# Altium PCB MLB_REV1.PcbDoc (part 1 of 4) (continued)
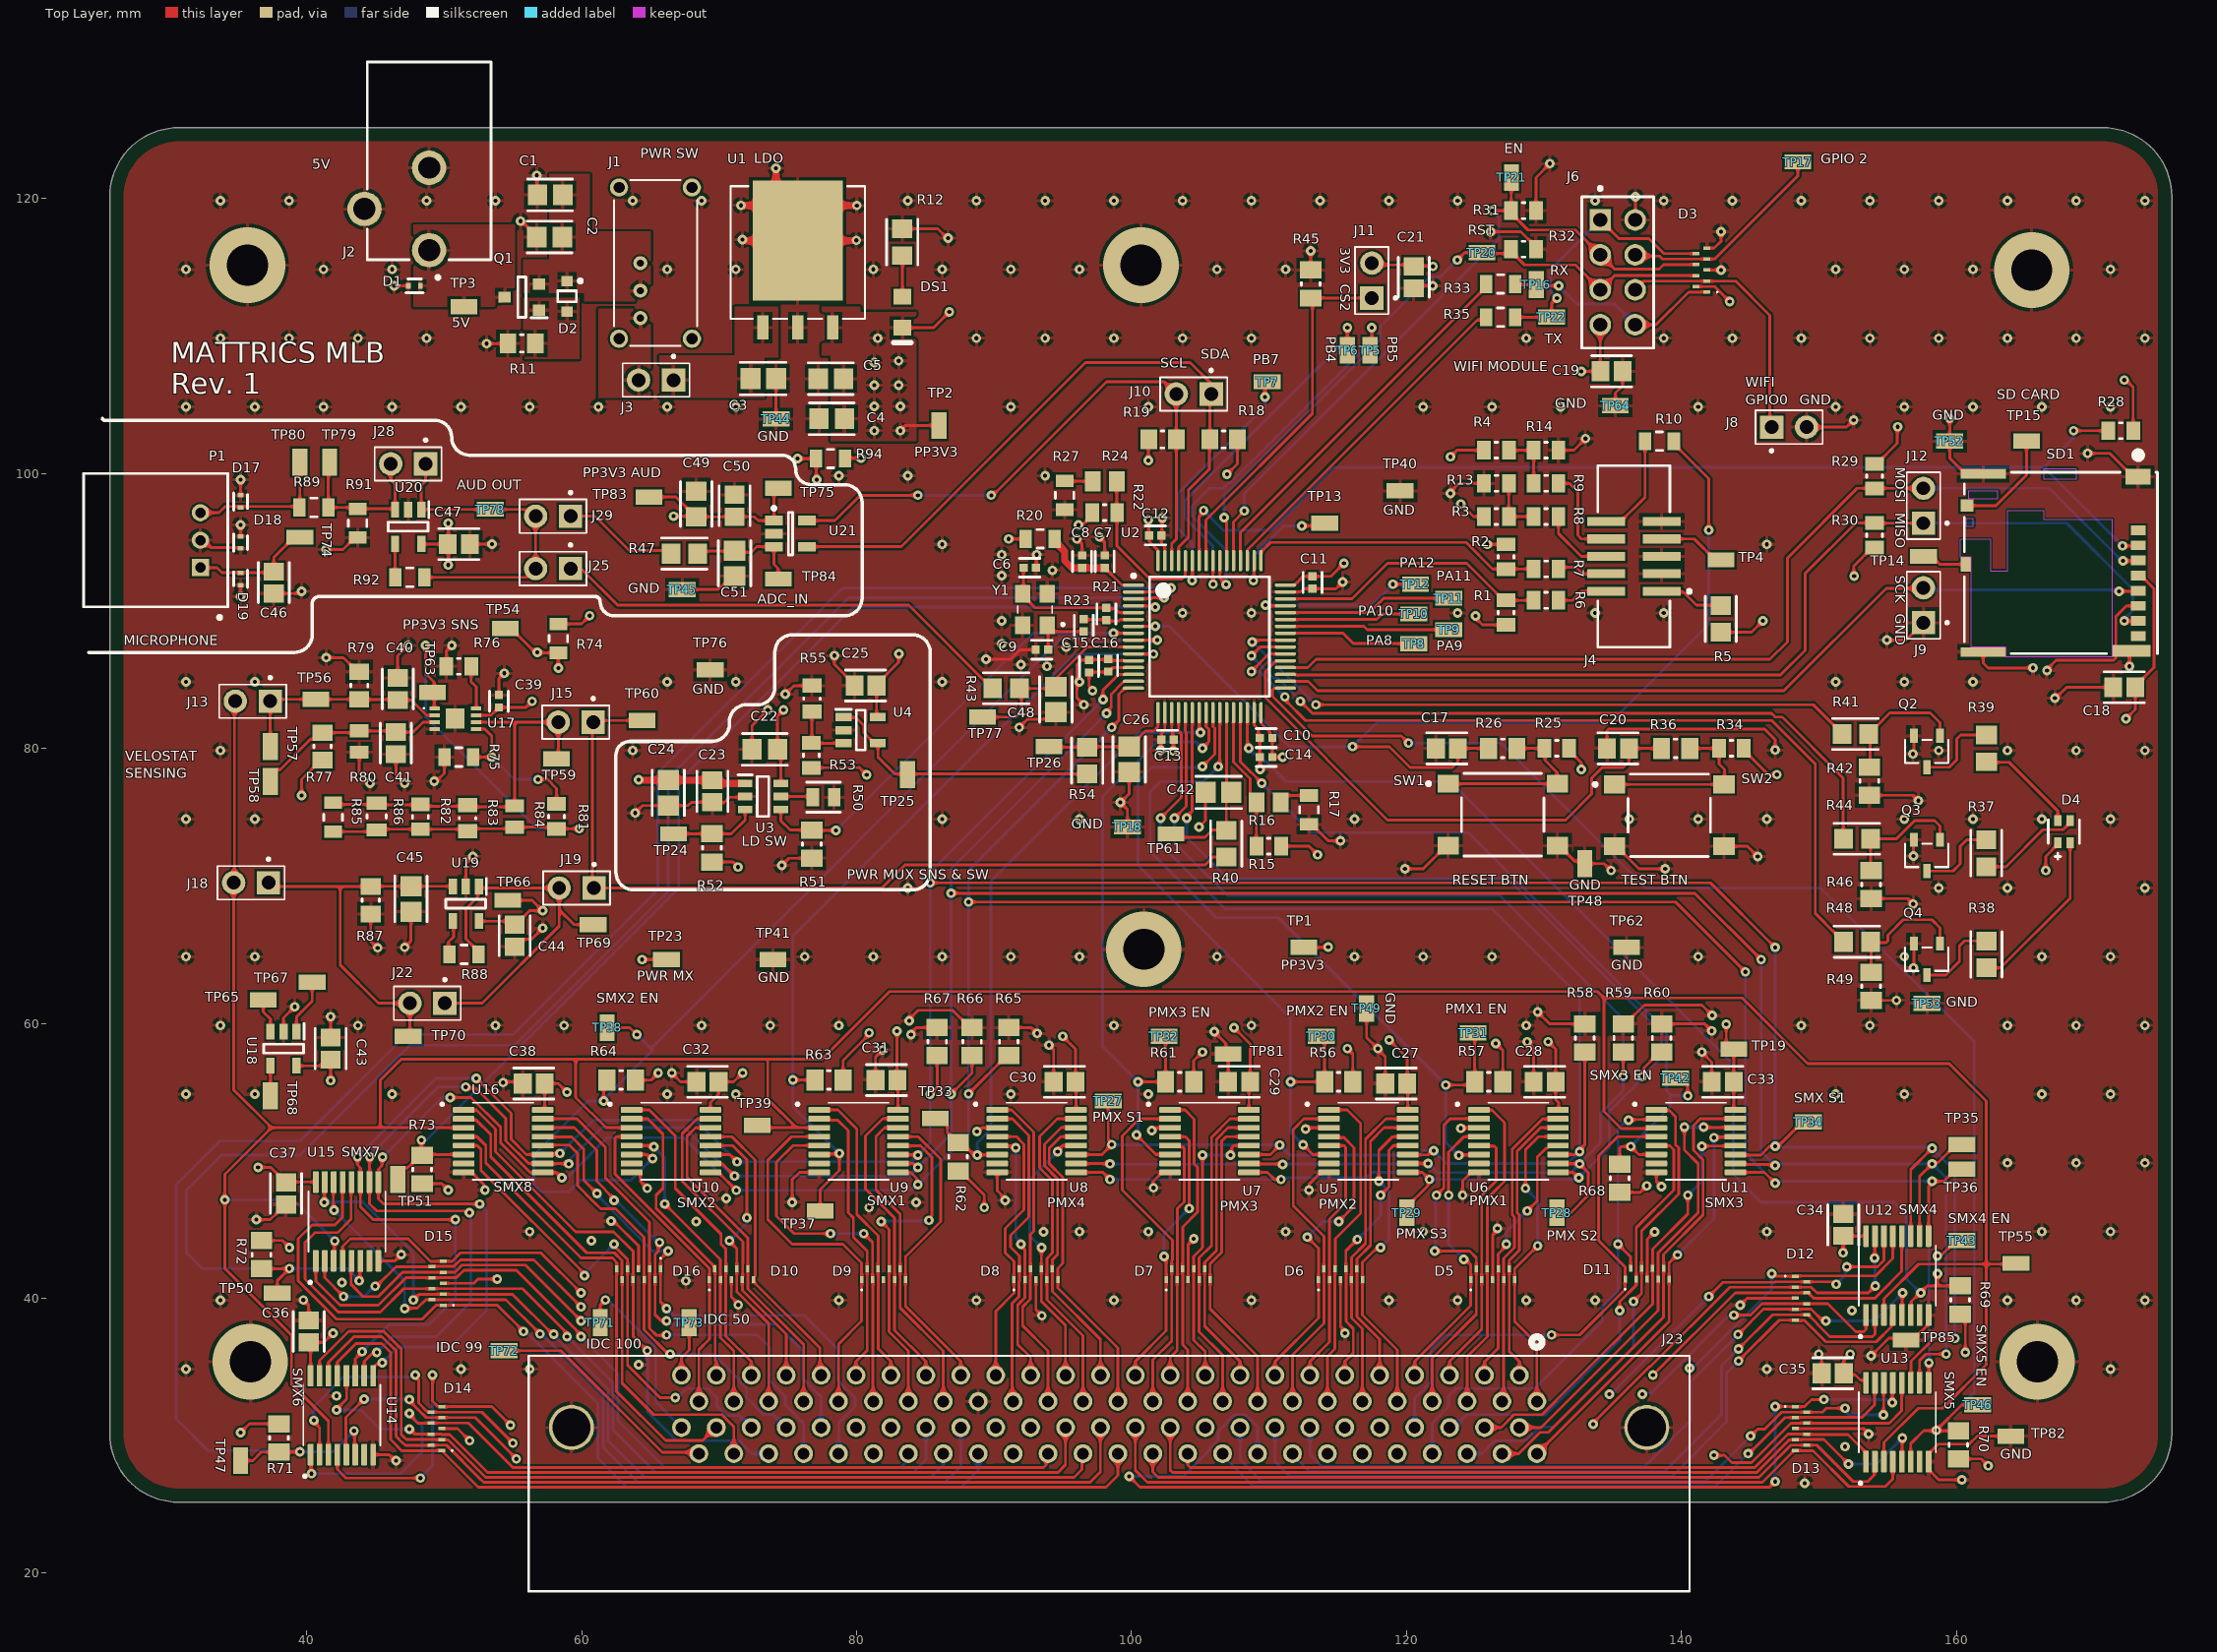
[diagram p0: Top Layer view]
## Components (designator, comment, footprint, x,y, rotation, side; value= is the part's Value field where it differs from the comment)
C1 "GRM21BR71A106KA73K" FP-GRM21B-0_15-IPC_A 57.695,120.269 r180 top
C2 "GRM21BR61A226ME51L" FP-GRM21B-0_15-IPC_A 57.658,117.221 r180 top
C3 "CL21B105KOFNNNE" FP-CL21-IPC_A 73.207,106.912 r0 top
C4 "GRM21BR61A226ME51L" FP-GRM21B-0_15-IPC_A 78.189,103.991 r180 top
C5 "GRM21BR71A106KA73K" FP-GRM21B-0_15-IPC_A 78.123,106.912 r180 top
C6 "GJM1555C1H140GB01D" FP-CC0402-IPC_B 92.583,93.154 r0 top
C7 "CC0402KRX7R7BB104" FP-CC0402-IPC_B 98.044,93.599 r90 top value="100 nF"
C8 "GRM155R60J106ME05D" FP-CC0402-IPC_B 96.393,93.599 r90 top
C9 "GJM1555C1H140GB01D" FP-CC0402-IPC_B 93.472,87.185 r180 top
C10 "CC0402KRX7R7BB104" FP-CC0402-IPC_B 109.784,80.772 r180 top value="100 nF"
C11 "CC0402KRX7R7BB104" FP-CC0402-IPC_B 113.157,92.075 r270 top value="100 nF"
C12 "CC0402KRX7R7BB104" FP-CC0402-IPC_B 101.727,95.504 r0 top value="100 nF"
C13 "CC0402KRX7R7BB104" FP-CC0402-IPC_B 102.616,80.645 r180 top value="100 nF"
C14 "GRM155R60J106ME05D" FP-CC0402-IPC_B 109.784,79.375 r180 top
C15 "CC0402KRX5R5BB105" FP-CC0402-IPC_B 96.901,85.979 r90 top value="1 uF"
C16 "CC0402KRX7R7BB104" FP-CC0402-IPC_B 98.298,86.05 r90 top value="100 nF"
C17 "C0805C104M3RACTU" FP-C0805C-DN-IPC_B 122.936,80.01 r180 top value="0.10 μF"
C18 "C0805C104M3RACTU" FP-C0805C-DN-IPC_B 172.212,84.455 r180 top value="0.10 μF"
C19 "C0805C104M3RACTU" FP-C0805C-DN-IPC_B 134.913,107.442 r0 top value="0.10 μF"
C20 "C0805C104M3RACTU" FP-C0805C-DN-IPC_B 135.382,80.01 r180 top value="0.10 μF"
C21 "C0805C104M3RACTU" FP-C0805C-DN-IPC_B 120.523,114.282 r270 top value="0.10 μF"
C22 "GRM21BR71A106KA73K" FP-GRM21B-0_15-IPC_A 73.31,79.94 r180 top
C23 "C0805C104M3RACTU" FP-C0805C-DN-IPC_B 69.5,76.892 r270 top value="0.10 μF"
C24 "CL21B105KOFNNNE" FP-CL21-IPC_A 66.294,76.778 r270 top
C25 "C0805C104M3RACTU" FP-C0805C-DN-IPC_B 80.645,84.582 r180 top value="0.10 μF"
C26 "CL21B105KOFNNNE" FP-CL21-IPC_A 99.822,79.211 r270 top
C27 "C0805C104M3RACTU" FP-C0805C-DN-IPC_B 119.253,55.626 r180 top value="0.10 μF"
C28 "C0805C104M3RACTU" FP-C0805C-DN-IPC_B 130.048,55.753 r180 top value="0.10 μF"
C29 "C0805C104M3RACTU" FP-C0805C-DN-IPC_B 107.823,55.753 r180 top value="0.10 μF"
C30 "C0805C104M3RACTU" FP-C0805C-DN-IPC_B 95.123,55.753 r180 top value="0.10 μF"
C31 "C0805C104M3RACTU" FP-C0805C-DN-IPC_B 82.169,55.88 r180 top value="0.10 μF"
C32 "C0805C104M3RACTU" FP-C0805C-DN-IPC_B 69.147,55.753 r180 top value="0.10 μF"
C33 "C0805C104M3RACTU" FP-C0805C-DN-IPC_B 143.002,55.753 r180 top value="0.10 μF"
C34 "C0805C104M3RACTU" FP-C0805C-DN-IPC_B 151.765,45.339 r90 top value="0.10 μF"
C35 "C0805C104M3RACTU" FP-C0805C-DN-IPC_B 151.003,34.544 r180 top value="0.10 μF"
C36 "C0805C104M3RACTU" FP-C0805C-DN-IPC_B 40.132,37.592 r90 top value="0.10 μF"
C37 "C0805C104M3RACTU" FP-C0805C-DN-IPC_B 38.481,47.625 r270 top value="0.10 μF"
C38 "C0805C104M3RACTU" FP-C0805C-DN-IPC_B 56.503,55.626 r180 top value="0.10 μF"
C39 "CC0402KRX7R7BB104" FP-CC0402-IPC_B 53.975,83.439 r90 top value="100 nF"
C40 "C0805C104M3RACTU" FP-C0805C-DN-IPC_B 46.609,84.328 r90 top value="0.10 μF"
C41 "C0805C104M3RACTU" FP-C0805C-DN-IPC_B 46.482,80.391 r270 top value="0.10 μF"
C42 "CL21B105KOFNNNE" FP-CL21-IPC_A 106.324,76.81 r180 top
C43 "C0805C104M3RACTU" FP-C0805C-DN-IPC_B 41.732,58.166 r270 top value="0.10 μF"
C44 "C0805C104M3RACTU" FP-C0805C-DN-IPC_B 55.118,66.382 r90 top value="0.10 μF"
C45 "CL21B105KOFNNNE" FP-CL21-IPC_A 47.574,69.051 r270 top
C46 "C0805C104M3RACTU" FP-C0805C-DN-IPC_B 37.592,92.075 r90 top value="0.10 μF"
C47 "C0805C104M3RACTU" FP-C0805C-DN-IPC_B 51.054,94.869 r180 top value="0.10 μF"
C48 "CL21B105KOFNNNE" FP-CL21-IPC_A 94.488,83.566 r270 top
C49 "GRM21BR71A106KA73K" FP-GRM21B-0_15-IPC_A 68.326,97.79 r90 top
C50 "C0805C104M3RACTU" FP-C0805C-DN-IPC_B 71.12,97.663 r90 top value="0.10 μF"
C51 "CL21B105KOFNNNE" FP-CL21-IPC_A 71.12,93.472 r270 top
D1 "DF2S10FS,L3M" DIOM106X45N 47.823,113.665 r180 top
D2 "MM3Z8V2ST1G" ONSC-SOD-323-2-477-02_V 58.928,112.903 r270 top
D3 "SP7538PUTG" SP7538PUTG 141.459,114.808 r90 top locked
D4 "EAST1616RGBB4" FP-EAST1616RGBB4-MFG 167.825,73.952 r270 top
D5 "SP7538PUTG" SP7538PUTG 126.268,41.754 r0 top
D6 "SP7538PUTG" SP7538PUTG 115.191,41.754 r0 top
D7 "SP7538PUTG" SP7538PUTG 104.114,41.754 r0 top
D8 "SP7538PUTG" SP7538PUTG 93.037,41.754 r0 top
D9 "SP7538PUTG" SP7538PUTG 81.96,41.754 r0 top locked
D10 "SP7538PUTG" SP7538PUTG 70.883,41.754 r0 top
D11 "SP7538PUTG" SP7538PUTG 137.503,41.802 r0 top
D12 "SP7538PUTG" SP7538PUTG 148.698,40.005 r270 top
D13 "SP7538PUTG" SP7538PUTG 148.698,30.518 r270 top locked
D14 "SP7538PUTG" SP7538PUTG 49.422,30.518 r90 top locked
D15 "SP7538PUTG" SP7538PUTG 49.511,41.097 r90 top locked
D16 "SP7538PUTG" SP7538PUTG 64.135,41.764 r180 top
D17 "DF2S10FS,L3M" DIOM106X45N 35.179,97.988 r90 top
D18 "DF2S10FS,L3M" DIOM106X45N 35.179,94.996 r90 top
D19 "DF2S10FS,L3M" DIOM106X45N 35.179,92.329 r270 top
DS1 "598-8170-107F" DIAL-0805-2_V 83.33,111.738 r90 top
J1 "MFS101D-8-Z" CONN03_MFS_11P8X5P8_NDC 65.362,113.316 r180 top locked
J2 "PJ-102BH" CUI-PJ-102BH_V 48.895,119.253 r90 top
J3 "4-103328-1" TE_4-103328-1 66.675,106.807 r270 top
J4 "3220-10-0300-00" CNC_Tech_0_MFG 136.542,93.98 r90 top
J6 "PPTC042LFBN-RC" FP-PPTC042LFBN-RC-MFG 135.362,114.643 r270 top locked
J8 "4-103328-1" TE_4-103328-1 146.558,103.378 r90 top
J9 "4-103328-1" TE_4-103328-1 157.607,89.154 r180 top
J10 "4-103328-1" TE_4-103328-1 105.791,105.791 r270 top
J11 "4-103328-1" TE_4-103328-1 117.475,112.776 r180 top
J12 "4-103328-1" TE_4-103328-1 157.607,96.393 r180 top
J13 "4-103328-1" TE_4-103328-1 37.338,83.439 r270 top
J15 "4-103328-1" TE_4-103328-1 60.833,81.915 r270 top
J18 "4-103328-1" TE_4-103328-1 37.211,70.231 r270 top
J19 "4-103328-1" TE_4-103328-1 60.896,69.85 r270 top
J22 "4-103328-1" TE_4-103328-1 50.038,61.468 r270 top locked
J23 "1-787082-8" CONN100_1-787082-8_TEC 129.481,32.5 r0 top locked
J25 "4-103328-1" TE_4-103328-1 59.182,93.091 r270 top
J28 "4-103328-1" TE_4-103328-1 48.641,100.711 r270 top
J29 "4-103328-1" TE_4-103328-1 59.182,96.901 r270 top
P1 "35363-0360" MOLX-35363-0360_V 29.008,95.155 r90 top
Q1 "AO3423" SOT95P280X125-3N 55.646,112.842 r180 top
Q2 "RK7002BMT116" TRANS_RK7002BMHZG_ROM 157.854,79.784 r180 top
Q3 "RK7002BMT116" TRANS_RK7002BMHZG_ROM 157.854,72.228 r180 top
Q4 "RK7002BMT116" TRANS_RK7002BMHZG_ROM 157.854,64.671 r180 top
R1 "RC0805FR-0710KL" RESC2013X60X35NL10T20 127.24,89.89 r270 top value=10K
R2 "RC0805FR-0710KL" RESC2013X60X35NL10T20 127.24,93.954 r90 top value=10K
R3 "RC0805FR-0710KL" RESC2013X60X35NL10T20 126.54,96.875 r180 top value=10K
R4 "RC0805FR-0710KL" RESC2013X60X35NL10T20 126.54,101.701 r180 top value=10K
R5 "RMCF0805FT100R" FP-RMCF0805-IPC_A 142.861,89.433 r90 top
R6 "RC0805FR-0733RL" RESC2013X60X35NL10T20 130.15,90.779 r180 top
R7 "RC0805FR-0733RL" RESC2013X60X35NL10T20 130.15,93.065 r180 top
R8 "RC0805FR-0733RL" RESC2013X60X35NL10T20 130.15,96.875 r180 top
R9 "RC0805FR-0733RL" RESC2013X60X35NL10T20 130.15,99.288 r180 top
R10 "RMCF0805ZT0R00" FP-RMCF0805-MFG 138.396,102.362 r180 top
R11 "RC0805FR-071KL" RESC2013X60X35ML10T20 55.626,109.474 r0 top
R12 "RMCF0805FT100R" FP-RMCF0805-IPC_A 83.312,116.84 r90 top
R13 "RC0805FR-0710KL" RESC2013X60X35NL10T20 126.54,99.288 r0 top value=10K
R14 "RC0805FR-0710KL" RESC2013X60X35NL10T20 130.15,101.701 r180 top value=10K
R15 "RC0805FR-0710KL" RESC2013X60X35NL10T20 109.982,72.898 r0 top value=10KOhm
R16 "ERJ-6ENF5100V" RESC2013X70X40NL20T20 109.982,76.073 r180 top
R17 "RMCF0805ZT0R00" FP-RMCF0805-MFG 112.903,75.531 r90 top
R18 "RC0805FR-071KL" RESC2013X60X35ML10T20 106.696,102.489 r180 top
R19 "RC0805FR-071KL" RESC2013X60X35ML10T20 102.251,102.489 r0 top
R20 "RMCF0805ZT0R00" FP-RMCF0805-MFG 93.345,95.25 r180 top
R21 "CRGCQ0402F1M0" FP-CC0402-IPC_B 98.171,89.789 r90 top value=1MΩ
R22 "RC0805FR-0710KL" RESC2013X60X35NL10T20 98.044,97.155 r180 top value=10KOhm
R23 "RC0402FR-07220RL" FP-CC0402-IPC_B 96.52,88.963 r270 top
R24 "ERJ-6ENF5100V" RESC2013X70X40NL20T20 98.044,99.441 r0 top
R25 "RC0805FR-0710KL" RESC2013X60X35NL10T20 130.937,80.01 r0 top value=10KOhm
R26 "CRCW080515K0FKTA" RESC2013X50X30ML20T20 127,80.01 r180 top value=10KOhm
R27 "RMCF0805ZT0R00" FP-RMCF0805-MFG 95.123,98.425 r90 top
R28 "RC0805FR-0710KL" RESC2013X60X35NL10T20 171.958,103.124 r0 top value=10KOhm
R29 "RC0805FR-0710KL" RESC2013X60X35NL10T20 154.051,99.822 r90 top value=10KOhm
R30 "RC0805FR-0710KL" RESC2013X60X35NL10T20 154.051,95.515 r270 top value=10KOhm
R31 "RC0805FR-0710KL" RESC2013X60X35NL10T20 128.513,119.126 r180 top value=10KOhm
R32 "RC0805FR-0710KL" RESC2013X60X35NL10T20 128.513,116.332 r180 top value=10KOhm
R33 "RMCF0805ZT0R00" FP-RMCF0805-MFG 126.839,113.792 r0 top
R34 "RC0805FR-0710KL" RESC2013X60X35NL10T20 143.637,80.01 r0 top value=10KOhm
R35 "RMCF0805ZT0R00" FP-RMCF0805-MFG 126.839,111.379 r0 top
R36 "CRCW080515K0FKTA" RESC2013X50X30ML20T20 139.573,80.01 r180 top value=10KOhm
R37 "RMCF0805FT100R" FP-RMCF0805-IPC_A 162.172,72.378 r90 top
R38 "RMCF0805FT100R" FP-RMCF0805-IPC_A 162.179,65.024 r90 top
R39 "ERJ-6ENF3000V" RESC2013X70X40ML20T20 162.179,80.01 r90 top
R40 "RMCF0805FT100R" FP-RMCF0805-IPC_A 106.883,73.076 r90 top
R41 "RMCF0805FT100R" FP-RMCF0805-IPC_A 152.647,81.054 r0 top
R42 "CRCW080515K0FKTA" RESC2013X50X30ML20T20 153.67,77.625 r90 top value=10KOhm
R43 "RMCF0805FT100R" FP-RMCF0805-IPC_A 90.866,84.385 r0 top
R44 "RMCF0805FT100R" FP-RMCF0805-IPC_A 152.774,73.434 r0 top
R45 "CRCW080515K0FKTA" RESC2013X50X30ML20T20 113.03,113.792 r270 top value=10KOhm
R46 "CRCW080515K0FKTA" RESC2013X50X30ML20T20 153.797,70.104 r90 top value=10KOhm
R47 "RMCF0805FT100R" FP-RMCF0805-IPC_A 67.462,94.183 r0 top
R48 "RMCF0805FT100R" FP-RMCF0805-IPC_A 152.774,65.941 r0 top
R49 "CRCW080515K0FKTA" RESC2013X50X30ML20T20 153.797,62.702 r90 top value=10KOhm
R50 "CRGCQ0805F68K" FP-CRGCQ0805-IPC_C 77.583,76.454 r180 top value=68KΩ
R51 "CRCW080515K0FKTA" RESC2013X50X30ML20T20 76.739,73.046 r270 top value=10KOhm
R52 "CRCW080515K0FKTA" RESC2013X50X30ML20T20 69.469,72.771 r90 top value=10KOhm
R53 "RC0805FR-0710KL" RESC2013X60X35NL10T20 76.708,79.502 r270 top value=10KOhm
R54 "RMCF0805FT100R" FP-RMCF0805-IPC_A 96.774,79.121 r90 top
R55 "20K 1% 0805(2012)" RESC0805(2012)_N 76.739,83.623 r270 top value=20K
R56 "CRCW080515K0FKTA" RESC2013X50X30ML20T20 115.062,55.753 r0 top value=10KOhm
R57 "CRCW080515K0FKTA" RESC2013X50X30ML20T20 125.984,55.753 r0 top value=10KOhm
R58 "CRCW080515K0FKTA" RESC2013X50X30ML20T20 132.969,58.937 r270 top value=10KOhm
R59 "CRCW080515K0FKTA" RESC2013X50X30ML20T20 135.763,58.937 r270 top value=10KOhm
R60 "CRCW080515K0FKTA" RESC2013X50X30ML20T20 138.557,58.937 r270 top value=10KOhm
R61 "CRCW080515K0FKTA" RESC2013X50X30ML20T20 103.496,55.753 r0 top value=10KOhm
R62 "CRCW080515K0FKTA" RESC2013X50X30ML20T20 87.376,50.292 r270 top value=10KOhm
R63 "CRCW080515K0FKTA" RESC2013X50X30ML20T20 77.978,55.88 r0 top locked value=10KOhm
R64 "CRCW080515K0FKTA" RESC2013X50X30ML20T20 62.865,55.88 r0 top value=10KOhm
R65 "CRCW080515K0FKTA" RESC2013X50X30ML20T20 91.059,58.674 r270 top value=10KOhm
R66 "CRCW080515K0FKTA" RESC2013X50X30ML20T20 88.392,58.674 r270 top value=10KOhm
R67 "CRCW080515K0FKTA" RESC2013X50X30ML20T20 85.852,58.674 r270 top value=10KOhm
R68 "CRCW080515K0FKTA" RESC2013X50X30ML20T20 135.509,48.732 r270 top value=10KOhm
R69 "CRCW080515K0FKTA" RESC2013X50X30ML20T20 160.274,39.878 r270 top value=10KOhm
R70 "CRCW080515K0FKTA" RESC2013X50X30ML20T20 160.147,29.337 r270 top value=10KOhm
R71 "CRCW080515K0FKTA" RESC2013X50X30ML20T20 37.973,29.845 r90 top value=10KOhm
R72 "CRCW080515K0FKTA" RESC2013X50X30ML20T20 36.703,43.18 r90 top value=10KOhm
R73 "CRCW080515K0FKTA" RESC2013X50X30ML20T20 48.387,49.367 r270 top value=10KOhm
R74 "RMCF0805ZT0R00" FP-RMCF0805-MFG 58.293,88.011 r90 top
R75 "RMCF0805ZT0R00" FP-RMCF0805-MFG 51.054,79.375 r180 top
R76 "RC0805FR-0710KL" RESC2013X60X35NL10T20 51.054,85.979 r0 top value=10KOhm
R77 "RC0805FR-071KL" RESC2013X60X35ML10T20 41.148,80.153 r270 top
R79 "RC0805FR-071KL" RESC2013X60X35ML10T20 43.815,84.582 r270 top
R80 "ERJ-6GEYJ333V" RESC2013X70X40LL20T20 43.815,80.505 r90 top value=33K
R81 "RC0805FR-0710KL" RESC2013X60X35NL10T20 58.166,75.057 r90 top value=10KOhm
R82 "RC0805FR-0710KL" RESC2013X60X35NL10T20 48.26,75.03 r270 top value=10KOhm
R83 "20K 1% 0805(2012)" RESC0805(2012)_N 51.689,74.93 r270 top value=20K
R84 "ERJ-6GEYJ333V" RESC2013X70X40LL20T20 55.118,75.057 r270 top value=33K
R85 "RMCF0805ZT0R00" FP-RMCF0805-MFG 41.91,75.005 r270 top
R86 "CRCW08055K10FKEA" FP-CRCW0805-e3-MFG 45.085,75.055 r270 top
R87 "RC0805FR-07470RL" RESC2013X60X35ML10T20 44.653,68.961 r90 top
R88 "RMCF0805ZT0R00" FP-RMCF0805-MFG 51.435,65.024 r0 top
R89 "RMCF0805ZT0R00" FP-RMCF0805-MFG 40.513,97.536 r180 top
R91 "RMCF0805ZT0R00" FP-RMCF0805-MFG 43.688,96.393 r90 top
R92 "RMCF0805ZT0R00" FP-RMCF0805-MFG 47.498,92.456 r0 top
R94 "RMCF0805ZT0R00" FP-RMCF0805-MFG 78.105,101.092 r0 top
SD1 "5033981892" MOLX-503398-1892_V 166.958,93.501 r270 top
SW1 "PTS645SM43SMTR92LFS" FP-PTS645SM43SMTR92LFS-MFG 127,75.184 r0 top
SW2 "PTS645SM43SMTR92LFS" FP-PTS645SM43SMTR92LFS-MFG 139.118,75.136 r0 top
TP1 "RCU-0C" TP+195X110 112.528,65.532 r0 top
TP2 "RCU-0C" TP+195X110 85.979,103.505 r90 top
TP3 "RCU-0C" TP+195X110 51.435,112.141 r0 top
TP4 "RCU-0C" TP+195X110 142.875,93.726 r180 top
TP5 "RCU-0C" TP+195X110 117.348,108.966 r270 top
TP6 "RCU-0C" TP+195X110 115.697,108.966 r90 top
TP7 "RCU-0C" TP+195X110 109.855,106.68 r180 top
TP8 "RCU-0C" TP+195X110 120.523,87.63 r180 top
TP9 "RCU-0C" TP+195X110 123.063,88.646 r180 top
TP10 "RCU-0C" TP+195X110 120.523,89.789 r180 top
TP11 "RCU-0C" TP+195X110 123.063,90.932 r180 top
TP12 "RCU-0C" TP+195X110 120.65,91.948 r180 top
TP13 "RCU-0C" TP+195X110 114.046,96.393 r180 top
TP14 "RCU-0C" TP+195X110 157.607,93.98 r180 top
TP15 "RCU-0C" TP+195X110 165.1,102.362 r0 top
TP16 "RCU-0C" TP+195X110 129.448,113.757 r270 top
TP17 "RCU-0C" TP+195X110 148.463,122.682 r0 top
TP18 "RCU-0C" TP+195X110 99.695,74.295 r180 top
TP19 "RCU-0C" TP+195X110 143.803,58.127 r180 top
TP20 "RCU-0C" TP+195X110 125.476,116.078 r0 top
TP21 "RCU-0C" TP+195X110 127.635,121.539 r270 top
TP22 "RCU-0C" TP+195X110 130.556,111.379 r0 top
TP23 "RCU-0C" TP+195X110 66.167,64.643 r0 top
TP24 "RCU-0C" TP+195X110 66.675,73.787 r0 top
TP25 "RCU-0C" TP+195X110 83.693,78.105 r270 top
TP26 "RCU-0C" TP+195X110 93.98,80.137 r180 top
TP27 "RCU-0C" TP+195X110 98.298,54.356 r180 top
TP28 "RCU-0C" TP+195X110 130.937,46.228 r270 top
TP29 "RCU-0C" TP+195X110 120.015,46.228 r270 top
TP30 "RCU-0C" TP+195X110 113.792,59.055 r180 top
TP31 "RCU-0C" TP+195X110 124.841,59.309 r180 top
TP32 "RCU-0C" TP+195X110 102.362,59.055 r180 top
TP33 "RCU-0C" TP+195X110 85.725,53.086 r180 top
TP34 "RCU-0C" TP+195X110 149.225,52.832 r180 top
TP35 "RCU-0C" TP+195X110 160.401,51.181 r180 top
TP36 "RCU-0C" TP+195X110 160.401,49.403 r180 top
TP37 "RCU-0C" TP+195X110 77.343,46.355 r180 top
TP38 "RCU-0C" TP+195X110 61.849,59.69 r90 top
TP39 "RCU-0C" TP+195X110 72.771,52.578 r180 top
TP40 "RCU-0C" TP+195X110 119.533,98.75 r180 top
TP41 "RCU-0C" TP+195X110 73.914,64.643 r180 top
TP42 "RCU-0C" TP+195X110 139.573,56.007 r180 top
TP43 "RCU-0C" TP+195X110 160.401,44.196 r180 top
TP44 "RCU-0C" TP+195X110 74.133,103.978 r0 top
TP45 "RCU-0C" TP+195X110 67.31,91.567 r180 top
TP46 "RCU-0C" TP+195X110 161.544,32.258 r180 top
TP47 "RCU-0C" TP+195X110 35.179,28.194 r270 top
TP48 "RCU-0C" TP+195X110 132.969,71.628 r270 top
TP49 "RCU-0C" TP+195X110 117.094,61.087 r90 top
TP50 "RCU-0C" TP+195X110 37.846,40.386 r180 top
TP51 "RCU-0C" TP+195X110 46.609,48.641 r270 top
TP52 "RCU-0C" TP+195X110 159.512,102.362 r180 top
TP53 "RCU-0C" TP+195X110 157.861,61.468 r180 top
TP54 "RCU-0C" TP+195X110 54.434,88.733 r180 top
TP55 "RCU-0C" TP+195X110 164.338,42.545 r180 top
TP56 "RCU-0C" TP+195X110 40.648,83.582 r180 top
TP57 "RCU-0C" TP+195X110 37.338,80.137 r270 top
TP58 "RCU-0C" TP+195X110 37.338,77.597 r270 top
TP59 "RCU-0C" TP+195X110 58.166,79.248 r0 top
TP60 "RCU-0C" TP+195X110 64.389,82.042 r180 top
TP61 "RCU-0C" TP+195X110 102.87,73.787 r180 top
TP62 "RCU-0C" TP+195X110 136.017,65.532 r180 top
TP63 "RCU-0C" TP+195X110 49.149,84.074 r180 top
TP64 "RCU-0C" TP+195X110 135.193,104.943 r180 top
TP65 "RCU-0C" TP+195X110 36.83,61.722 r180 top
TP66 "RCU-0C" TP+195X110 54.61,68.961 r180 top
TP67 "RCU-0C" TP+195X110 40.386,62.992 r180 top
TP68 "RCU-0C" TP+195X110 37.338,54.737 r270 top
TP69 "RCU-0C" TP+195X110 60.833,67.183 r180 top
TP70 "RCU-0C" TP+195X110 47.371,59.055 r180 top
TP71 "RCU-0C" TP+195X110 61.341,38.227 r90 top
TP72 "RCU-0C" TP+195X110 54.356,36.195 r180 top
TP73 "RCU-0C" TP+195X110 67.818,38.227 r270 top
TP74 "RCU-0C" TP+195X110 39.497,95.377 r180 top
TP75 "RCU-0C" TP+195X110 74.295,98.933 r180 top
TP76 "RCU-0C" TP+195X110 69.342,85.725 r180 top
TP77 "RCU-0C" TP+195X110 89.154,82.296 r180 top
TP78 "RCU-0C" TP+195X110 53.34,97.409 r180 top
TP79 "RCU-0C" TP+195X110 41.656,100.838 r90 top
TP80 "RCU-0C" TP+195X110 39.497,100.838 r90 top
TP81 "RCU-0C" TP+195X110 107.022,57.785 r180 top
TP82 "RCU-0C" TP+195X110 163.957,29.972 r180 top
TP83 "RCU-0C" TP+195X110 64.897,98.298 r180 top
TP84 "RCU-0C" TP+195X110 74.295,92.329 r180 top